# KiCad board fuyu.kicad_pcb (continued)
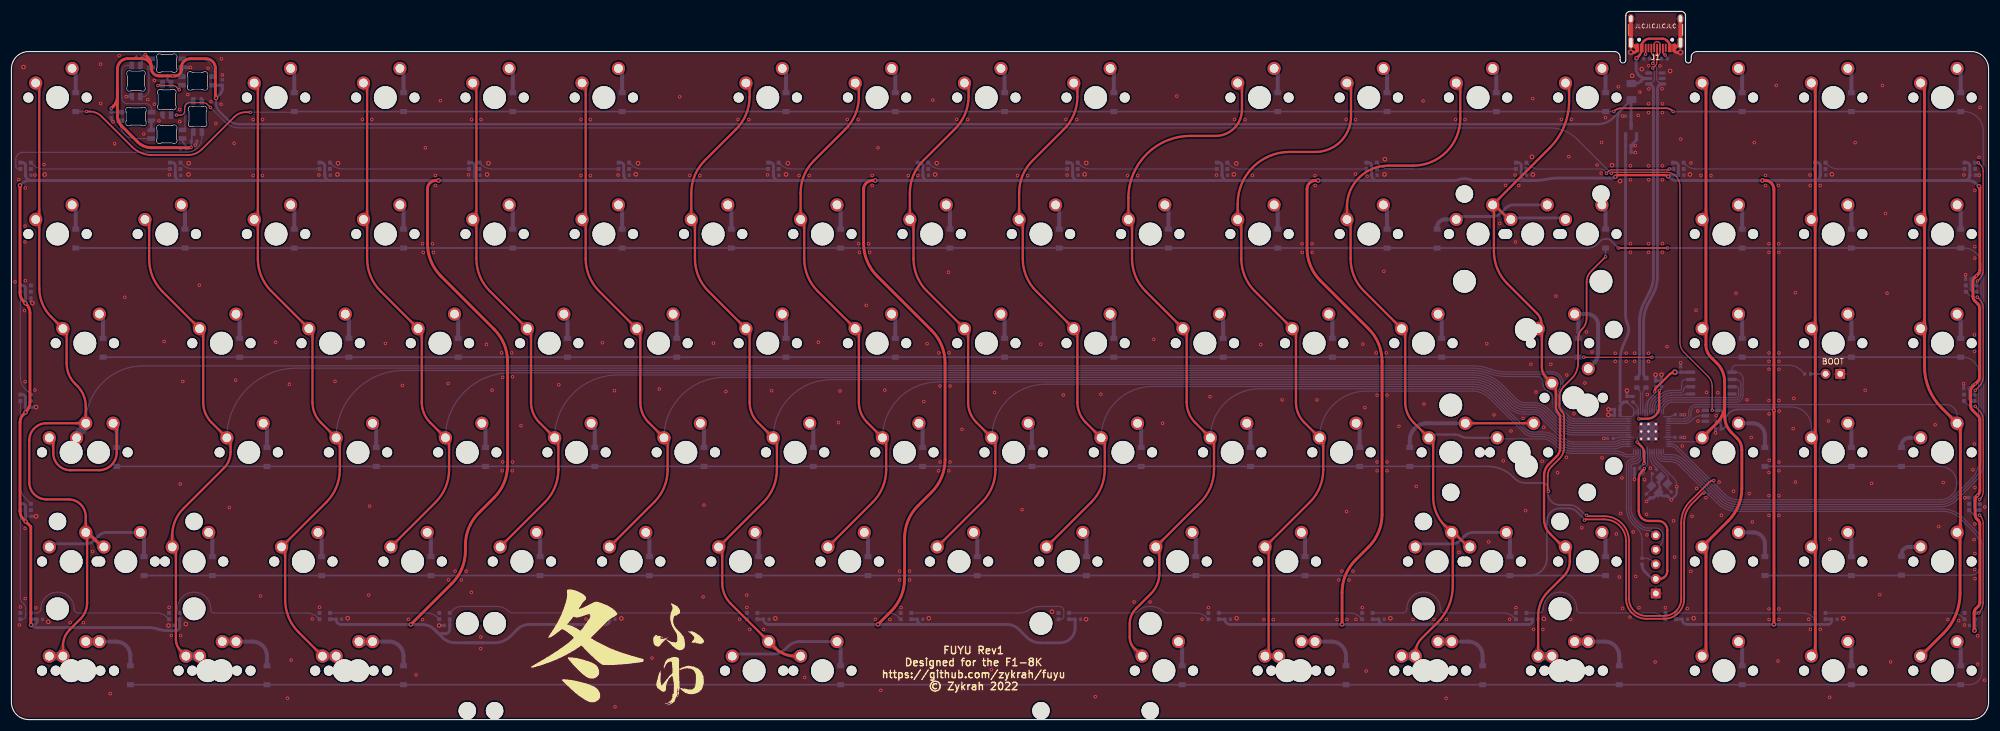
[diagram p0: board, top side]
## Nets
+1V1: C1.1 C2.1 C3.1 U2.23 U2.45 U2.50
+3V3: C4.1 C5.1 C6.1 C7.1 C8.1 C9.1 C10.1 C11.1 C12.1 C14.2 C17.1 J2.2 R1.1 U1.2 U2.1 U2.10 U2.22 U2.33 U2.42 U2.43 U2.44 U2.48 U2.49 U4.8
+5V: C13.2 C18.1 C19.1 C20.1 C21.1 C22.1 C23.1 C24.1 C25.1 C26.1 C27.1 C28.1 C29.1 C30.1 C31.1 C32.1 C33.1 C34.1 C35.1 C36.1 C37.1 C38.1 C39.1 C40.1 C41.1 C42.1 C43.1 C44.1 C45.1 C46.1 C47.1 C48.1 C49.1 C50.1 C51.1 C52.1 C53.1 C54.1 C55.1 C56.1 C57.1 C58.1 D100.4 D101.4 D102.4 D103.4 D104.4 D105.4 D106.4 D107.4 D108.4 D109.4 D110.4 D111.4 D112.4 D113.4 D114.4 D115.4 D116.4 D117.4 D118.4 D119.4 D120.4 D121.4 D122.4 D123.4 D124.4 D125.4 D126.4 D127.4 D128.4 D129.4 D130.4 D131.4 D132.4 D133.4 F1.2 LED1.1 LED2.1 LED3.1 LED4.1 LED5.1 LED6.1 LED7.1 U1.3 U5.5
GND: C1.2 C2.2 C3.2 C4.2 C5.2 C6.2 C7.2 C8.2 C9.2 C10.2 C11.2 C12.2 C13.1 C14.1 C15.1 C16.1 C17.2 C18.2 C19.2 C20.2 C21.2 C22.2 C23.2 C24.2 C25.2 C26.2 C27.2 C28.2 C29.2 C30.2 C31.2 C32.2 C33.2 C34.2 C35.2 C36.2 C37.2 C38.2 C39.2 C40.2 C41.2 C42.2 C43.2 C44.2 C45.2 C46.2 C47.2 C48.2 C49.2 C50.2 C51.2 C52.2 C53.2 C54.2 C55.2 C56.2 C57.2 C58.2 D100.2 D101.2 D102.2 D103.2 D104.2 D105.2 D106.2 D107.2 D108.2 D109.2 D110.2 D111.2 D112.2 D113.2 D114.2 D115.2 D116.2 D117.2 D118.2 D119.2 D120.2 D121.2 D122.2 D123.2 D124.2 D125.2 D126.2 D127.2 D128.2 D129.2 D130.2 D131.2 D132.2 D133.2 J1.A1 J1.A12 J1.B1 J1.B12 J1.S1 J2.1 LED1.4 LED2.4 LED3.4 LED4.4 LED5.4 LED6.4 LED7.4 R6.2 R7.2 SW0.1 U1.1 U2.19 U2.57 U3.2 U4.4 U5.1 U5.3 Y1.2 Y1.4
VBUS: F1.1 J1.A4 J1.A9 J1.B4 J1.B9 U3.5
/CC1: J1.A5 R6.1
/CC2: J1.B5 R7.1
/D_+: R2.2 U2.47
/D_-: R3.2 U2.46
/XTAL_O: C16.2 R4.1 Y1.1
/~{USB_BOOT}: R5.1 SW0.2
ARGB_3V3: U2.4 U5.2
ARGB_5V: LED1.3 U5.4
COL0: SW1.1 SW17.1 SW36.1 SW54.2 SW55.1 SW72.2 SW73.1 SW91.1 SW92.1 U2.41
COL1: SW18.1 SW37.1 SW56.1 SW74.1 SW93.1 SW94.1 U2.40
COL2: SW2.1 SW19.1 SW38.1 SW57.1 SW75.1 SW95.1 SW96.1 U2.38
COL3: SW3.1 SW20.1 SW39.1 SW58.1 SW76.1 U2.37
COL4: SW4.1 SW21.1 SW40.1 SW59.1 SW77.1 U2.36
COL5: SW5.1 SW22.1 SW41.1 SW60.1 SW78.1 U2.35
COL6: SW6.1 SW23.1 SW42.1 SW61.1 SW79.1 SW97.2 SW98.1 U2.34
COL7: SW7.1 SW24.1 SW43.1 SW62.1 SW80.1 U2.32
COL8: SW8.1 SW25.1 SW44.1 SW63.1 SW81.1 U2.31
COL9: SW9.1 SW26.1 SW45.1 SW64.1 SW82.1 U2.30
COL10: SW10.1 SW27.1 SW46.1 SW65.1 SW83.1 SW99.1 U2.29
COL11: SW11.1 SW28.1 SW47.1 SW66.1 SW84.1 SW100.1 SW101.1 U2.28
COL12: SW12.1 SW29.1 SW48.1 SW67.1 SW68.1 SW85.2 SW86.1 SW102.1 SW103.1 U2.27
COL13: SW13.1 SW30.2 SW31.1 SW32.1 SW49.1 SW50.1 SW87.1 SW104.1 SW105.1 U2.39
COL14: SW14.1 SW33.1 SW51.1 SW69.1 SW88.1 SW106.1 U2.12
COL15: SW15.1 SW34.1 SW52.1 SW70.1 SW89.1 SW107.1 U2.3
COL16: SW16.1 SW35.1 SW53.1 SW71.2 SW90.2 SW108.1 U2.2
CS: R5.2 U2.56 U4.1
DBUS+: J1.A6 J1.B6 R2.1 U3.3
DBUS-: J1.A7 J1.B7 R3.1 U3.4
QSPI_CLK: U2.52 U4.6
ROW0: D1.1 D2.1 D3.1 D4.1 D5.1 D6.1 D7.1 D8.1 D9.1 D10.1 D11.1 D12.1 D13.1 D14.1 D15.1 D16.1 U2.16
ROW1: D17.1 D18.1 D19.1 D20.1 D21.1 D22.1 D23.1 D24.1 D25.1 D26.1 D27.1 D28.1 D29.1 D30.1 D32.1 D33.1 D34.1 U2.15
ROW2: D35.1 D36.1 D37.1 D38.1 D39.1 D40.1 D41.1 D42.1 D43.1 D44.1 D45.1 D46.1 D47.1 D48.1 D49.1 D50.1 D51.1 U2.14
ROW3: D31.1 D52.1 D53.1 D54.1 D55.1 D56.1 D57.1 D58.1 D59.1 D60.1 D61.1 D62.1 D63.1 D64.1 D65.1 D66.1 D67.1 U2.13
ROW4: D68.1 D69.1 D70.1 D71.1 D72.1 D73.1 D74.1 D75.1 D76.1 D77.1 D78.1 D79.1 D80.1 D81.1 D82.1 D83.1 D84.1 U2.18
ROW5: D85.1 D86.1 D87.1 D88.1 D89.1 D90.1 D91.1 D92.1 D93.1 D94.1 D95.1 U2.17
SD0: U2.53 U4.5
SD1: U2.55 U4.2
SD2: U2.54 U4.3
SD3: U2.51 U4.7
SNOW_ARGB_OUT: D100.3 LED7.2
SWCLK: J2.4 U2.24
SWD: J2.5 U2.25
XTAL_IN: C15.2 U2.20 Y1.3
XTAL_OUT: R4.2 U2.21
~{RESET}: J2.3 R1.2 U2.26
Net-(D1-Pad2): D1.2 SW1.2
Net-(D2-Pad2): D2.2 SW2.2
Net-(D3-Pad2): D3.2 SW3.2
Net-(D4-Pad2): D4.2 SW4.2
Net-(D5-Pad2): D5.2 SW5.2
Net-(D6-Pad2): D6.2 SW6.2
Net-(D7-Pad2): D7.2 SW7.2
Net-(D8-Pad2): D8.2 SW8.2
Net-(D9-Pad2): D9.2 SW9.2
Net-(D10-Pad2): D10.2 SW10.2
Net-(D11-Pad2): D11.2 SW11.2
Net-(D12-Pad2): D12.2 SW12.2
Net-(D13-Pad2): D13.2 SW13.2
Net-(D14-Pad2): D14.2 SW14.2
Net-(D15-Pad2): D15.2 SW15.2
Net-(D16-Pad2): D16.2 SW16.2
Net-(D17-Pad2): D17.2 SW17.2
Net-(D18-Pad2): D18.2 SW18.2
Net-(D19-Pad2): D19.2 SW19.2
Net-(D20-Pad2): D20.2 SW20.2
Net-(D21-Pad2): D21.2 SW21.2
Net-(D22-Pad2): D22.2 SW22.2
Net-(D23-Pad2): D23.2 SW23.2
Net-(D24-Pad2): D24.2 SW24.2
Net-(D25-Pad2): D25.2 SW25.2
Net-(D26-Pad2): D26.2 SW26.2
Net-(D27-Pad2): D27.2 SW27.2
Net-(D28-Pad2): D28.2 SW28.2
Net-(D29-Pad2): D29.2 SW29.2
Net-(D30-Pad2): D30.2 SW30.1 SW31.2
Net-(D31-Pad2): D31.2 SW32.2
Net-(D32-Pad2): D32.2 SW33.2
Net-(D33-Pad2): D33.2 SW34.2
Net-(D34-Pad2): D34.2 SW35.2
Net-(D35-Pad2): D35.2 SW36.2
Net-(D36-Pad2): D36.2 SW37.2
Net-(D37-Pad2): D37.2 SW38.2
Net-(D38-Pad2): D38.2 SW39.2
Net-(D39-Pad2): D39.2 SW40.2
Net-(D40-Pad2): D40.2 SW41.2
Net-(D41-Pad2): D41.2 SW42.2
Net-(D42-Pad2): D42.2 SW43.2
Net-(D43-Pad2): D43.2 SW44.2
Net-(D44-Pad2): D44.2 SW45.2
Net-(D45-Pad2): D45.2 SW46.2
Net-(D46-Pad2): D46.2 SW47.2
Net-(D47-Pad2): D47.2 SW48.2
Net-(D48-Pad2): D48.2 SW49.2 SW50.2
Net-(D49-Pad2): D49.2 SW51.2
Net-(D50-Pad2): D50.2 SW52.2
Net-(D51-Pad2): D51.2 SW53.2
Net-(D52-Pad2): D52.2 SW54.1 SW55.2
Net-(D53-Pad2): D53.2 SW56.2
Net-(D54-Pad2): D54.2 SW57.2
Net-(D55-Pad2): D55.2 SW58.2
Net-(D56-Pad2): D56.2 SW59.2
Net-(D57-Pad2): D57.2 SW60.2
Net-(D58-Pad2): D58.2 SW61.2
Net-(D59-Pad2): D59.2 SW62.2
Net-(D60-Pad2): D60.2 SW63.2
Net-(D61-Pad2): D61.2 SW64.2
Net-(D62-Pad2): D62.2 SW65.2
Net-(D63-Pad2): D63.2 SW66.2
Net-(D64-Pad2): D64.2 SW67.2 SW68.2
Net-(D65-Pad2): D65.2 SW69.2
Net-(D66-Pad2): D66.2 SW70.2
Net-(D67-Pad2): D67.2 SW71.1
Net-(D68-Pad2): D68.2 SW72.1 SW73.2
Net-(D69-Pad2): D69.2 SW74.2
Net-(D70-Pad2): D70.2 SW75.2
Net-(D71-Pad2): D71.2 SW76.2
Net-(D72-Pad2): D72.2 SW77.2
Net-(D73-Pad2): D73.2 SW78.2
Net-(D74-Pad2): D74.2 SW79.2
Net-(D75-Pad2): D75.2 SW80.2
Net-(D76-Pad2): D76.2 SW81.2
Net-(D77-Pad2): D77.2 SW82.2
Net-(D78-Pad2): D78.2 SW83.2
Net-(D79-Pad2): D79.2 SW84.2
Net-(D80-Pad2): D80.2 SW85.1 SW86.2
Net-(D81-Pad2): D81.2 SW87.2
Net-(D82-Pad2): D82.2 SW88.2
Net-(D83-Pad2): D83.2 SW89.2
Net-(D84-Pad2): D84.2 SW90.1
Net-(D85-Pad2): D85.2 SW91.2 SW92.2
Net-(D86-Pad2): D86.2 SW93.2 SW94.2
Net-(D87-Pad2): D87.2 SW95.2 SW96.2
Net-(D88-Pad2): D88.2 SW97.1 SW98.2
Net-(D89-Pad2): D89.2 SW99.2
Net-(D90-Pad2): D90.2 SW100.2 SW101.2
Net-(D91-Pad2): D91.2 SW102.2 SW103.2
Net-(D92-Pad2): D92.2 SW104.2 SW105.2
Net-(D93-Pad2): D93.2 SW106.2
Net-(D94-Pad2): D94.2 SW107.2
Net-(D95-Pad2): D95.2 SW108.2
Net-(D100-Pad1): D100.1 D101.3
Net-(D101-Pad1): D101.1 D102.3
Net-(D102-Pad1): D102.1 D103.3
Net-(D103-Pad1): D103.1 D104.3
Net-(D104-Pad1): D104.1 D105.3
Net-(D105-Pad1): D105.1 D106.3
Net-(D106-Pad1): D106.1 D107.3
Net-(D107-Pad1): D107.1 D108.3
Net-(D108-Pad1): D108.1 D109.3
Net-(D109-Pad1): D109.1 D110.3
Net-(D110-Pad1): D110.1 D111.3
Net-(D111-Pad1): D111.1 D112.3
Net-(D112-Pad1): D112.1 D113.3
Net-(D113-Pad1): D113.1 D114.3
Net-(D114-Pad1): D114.1 D115.3
Net-(D115-Pad1): D115.1 D116.3
Net-(D116-Pad1): D116.1 D117.3
Net-(D117-Pad1): D117.1 D118.3
Net-(D118-Pad1): D118.1 D119.3
Net-(D119-Pad1): D119.1 D120.3
Net-(D120-Pad1): D120.1 D121.3
Net-(D121-Pad1): D121.1 D122.3
Net-(D122-Pad1): D122.1 D123.3
Net-(D123-Pad1): D123.1 D124.3
Net-(D124-Pad1): D124.1 D125.3
Net-(D125-Pad1): D125.1 D126.3
Net-(D126-Pad1): D126.1 D127.3
Net-(D127-Pad1): D127.1 D128.3
Net-(D128-Pad1): D128.1 D129.3
Net-(D129-Pad1): D129.1 D130.3
Net-(D130-Pad1): D130.1 D131.3
Net-(D131-Pad1): D131.1 D132.3
Net-(D132-Pad1): D132.1 D133.3
Net-(LED1-Pad2): LED1.2 LED2.3
Net-(LED2-Pad2): LED2.2 LED3.3
Net-(LED3-Pad2): LED3.2 LED4.3
Net-(LED4-Pad2): LED4.2 LED5.3
Net-(LED5-Pad2): LED5.2 LED6.3
Net-(LED6-Pad2): LED6.2 LED7.3

Pads without a net: D133 1; J1 A8 B8; U2 5 6 7 8 9 11; U3 1 6

## Via types
v1: diameter 0.6, hole 0.3, Top to Bottom, 507 vias
v2: diameter 0.8, hole 0.4, Top to Bottom, 71 vias
v3: diameter 1, hole 0.5, Top to Bottom, 3 vias

## Routing (per net, layer and track width the routed paths; a pad name or vN(x,y) marks a point on that pad's centre or on a via; arc(x,y) is an arc through that point)
+1V1: length 24.1
  Top w0.4: v1(283.68,52.49) 285.15,52.49 arc(286.64,53.1) 287.26,54.6 v1(287.26,57.39) ; v1(284.58,44.65) 284.62,44.69 284.62,46.49 arc(284.49,47.14) 284.13,47.69 v1(283.41,48.41)
  Bottom w0.2: v1(284.58,44.65) 284.79,44.86 284.79,46.84 ; C1.1 283.36,54.73 arc(283.53,54.49) 283.58,54.2 U2.45 283.59,52.64 ; U2.50 285.58,54.17 arc(285.81,55.31) 286.46,56.29 287.05,56.87 arc(287.21,57.11) v1(287.26,57.39)
  Bottom w0.3: 283.43,49.1 283.43,48.43 v1(283.41,48.41)
  Bottom w0.4: C2.1 283.88,43.97 284.56,44.65 v1(284.58,44.65) ; v1(287.26,57.39) 287.5,57.62 arc(287.63,57.82) 287.67,58.04 C3.1
+3V3: length 114.9
  Top w0.4: v1(286.48,57.17) 286.48,57.25 arc(286.54,57.59) 286.71,57.89 289.03,60.21 arc(289.47,60.5) v3(289.99,60.61) ; 284.31,43.39 284.67,43.75 v1(284.67,43.77) 284.67,43.74 284.19,43.27 arc(283.81,42.63) 283.68,41.89 283.68,36.4 arc(284.19,35.16) 285.42,34.65 287.08,34.65 arc(288.19,34.19) 288.66,33.08 288.66,25.9 arc(288.26,24.94) 287.29,24.54 J2.2
  Bottom w0.2: C10.1 280.67,52.87 U2.42 282.47,52.87 282.79,53.19 ; 282.74,49.27 U2.33 280.47,49.27 arc(280.19,49.24) 279.93,49.16 279.9,49.15 arc(279.66,49.08) 279.41,49.06 C6.1 ; 283.19,53.59 282.79,53.19 ; 282.79,53.19 U2.43 282.78,54.26 C5.1 ; 288.05,52.87 U2.1 289.17,52.87 arc(289.36,52.91) 289.53,53.02 289.54,53.03 arc(289.7,53.14) 289.89,53.18 C12.1 ; 285.19,52.99 U2.49 285.18,54.54 arc(285.38,55.5) 285.92,56.31 ; 285.92,56.31 286.27,56.66 arc(286.43,56.9) v1(286.48,57.17) ; 285.92,56.31 285.59,55.98 arc(284.99,55.09) 284.78,54.04 U2.48 284.79,52.97 284.82,52.94 ; 288.06,49.27 U2.10 289.99,49.27 C8.1 ; 285.19,46.84 285.19,44.63 arc(285.14,44.41) 285.02,44.23 284.67,43.88 v1(284.67,43.77) ; U2.22 285.19,47.57
  Bottom w0.4: C7.1 286.62,57.8 286.48,57.66 v1(286.48,57.17) ; v1(284.67,43.77) 284.57,43.68 284.57,43.18 arc(284.46,42.9) 284.17,42.78 C9.1
  Bottom w0.5: R1.1 284.27,26.94 arc(284.4,26.32) 284.75,25.8 286,24.54 J2.2 ; U4.8 291,60.61 C17.1 v3(289.99,60.61) ; C10.1 C11.1 280.43,54.76 281.09,55.42 C5.1 ; 280.44,55.45 280.44,62.6 arc(280.58,64.02) 281.01,65.37 281.66,66.87 281.75,67.09 arc(281.93,68.04) 281.76,68.99 281.64,69.29 arc(281.44,70) 281.38,70.73 C4.1 281.4,98.99 U1.2
+5V: length 1547.3
  Top w0.4: v2(279.61,94.71) 279.61,94.71 arc(279.94,94.93) 280.33,95.01 288.26,95.01 arc(288.57,94.95) v2(288.84,94.77)
  Top w0.5: v2(227.8,94.07) 227.34,94.07 arc(226.29,93.63) 225.86,92.58 225.86,82.23 arc(226.46,79.17) 228.2,76.57 236.59,68.18 arc(238.33,65.59) 238.94,62.52 238.94,35.78 arc(238.33,32.72) 236.59,30.12 234.31,27.84 arc(232.57,25.25) 231.97,22.18 v2(231.97,16.6) ; 18.47,109.7 18.47,108.73 arc(18.28,107.81) 17.77,107.04 v1(17.38,106.65) ; 18.47,109.7 18.47,113.5 18.46,113.5 arc(18.96,114.76) 20.18,115.35 22.71,115.35 22.71,115.35 arc(23.9,114.86) 24.39,113.67 ; 18.47,109.7 18.47,105.23 arc(18.69,104.33) 19.21,103.57 21.98,100.8 arc(23.1,100.05) 24.43,99.79 31.25,99.79 v1(31.31,99.85) ; v2(150.58,94.07) 150.09,94.07 arc(149.01,93.62) 148.56,92.53 148.56,83.07 arc(149.16,80.01) 150.9,77.41 160.41,67.9 arc(162.15,65.31) 162.75,62.24 162.75,45.35 arc(162.15,42.28) 160.41,39.69 158.04,37.32 arc(156.3,34.72) 155.69,31.66 155.69,24.56 arc(155.09,21.5) 153.35,18.9 v2(151.05,16.6) ; v2(3.41,16.5) 3.37,16.54 3.37,33.66 v2(2.47,34.56) 2.08,34.94 arc(1.65,35.59) 1.5,36.36 1.5,51.83 arc(1.65,52.59) 2.08,53.24 v2(2.45,53.61) 2.49,53.66 arc(3.04,54.47) 3.23,55.42 3.23,70.92 arc(3.05,71.8) 2.56,72.53 v2(2.44,72.66) 2.08,73.01 arc(1.65,73.66) 1.5,74.43 v2(1.5,93.22) ; v2(69.62,16.59) 76.79,23.76 arc(78.53,26.36) 79.14,29.42 79.14,30.4 arc(79.74,33.47) 81.48,36.06 84.14,38.72 arc(85.88,41.32) 86.48,44.38 86.48,62.45 arc(85.88,65.52) 84.14,68.11 74.87,77.38 arc(73.13,79.98) 72.53,83.04 72.53,92.61 arc(72.95,93.64) 73.98,94.07 v2(74.45,94.07) ; v2(307.24,16.6) 307.25,16.62 v1(307.25,53.95) 307.25,92.53 arc(306.8,93.62) 305.72,94.07 v2(305.24,94.07) ; v2(342.23,15.51) 342.15,15.59 342.15,18.63 arc(342.22,19.02) 342.44,19.34 342.85,19.75 arc(343.07,20.08) 343.15,20.46 343.15,34.08 arc(343.07,34.47) 342.85,34.79 342.62,35.02 arc(342.4,35.35) 342.32,35.73 342.32,38.29 arc(342.4,38.68) 342.62,39 v1(342.72,39.1) 342.85,39.23 arc(343.07,39.56) 343.15,39.94 343.15,52.28 arc(343.07,52.67) 342.85,52.99 341.84,54 arc(341.62,54.33) 341.55,54.71 341.55,57.35 arc(341.62,57.74) 341.84,58.06 v1(342.32,58.55) 342.81,59.03 arc(343.03,59.36) 343.1,59.74 343.1,71.81 arc(343.03,72.19) 342.81,72.51 342.24,73.08 arc(342.02,73.41) 341.94,73.79 341.94,76.41 arc(342.02,76.8) 342.24,77.12 v1(342.55,77.43) 342.85,77.73 arc(343.07,78.06) 343.15,78.44 343.15,92.9 v2(343,93.05) ; v2(35.66,108.45) 35.55,108.56 35.55,113.65 arc(35.07,114.83) 33.89,115.32 31.22,115.32 arc(30.06,114.84) 29.58,113.68 29.58,113.33 arc(29.29,112.61) 28.57,112.32 25.7,112.32 arc(24.78,112.7) 24.39,113.63 24.39,113.67 ; 24.39,113.67 24.39,113.9 arc(24.21,114.83) 23.68,115.62 v1(23.3,116)
  Bottom w0.3: LED6.1 29.8,101.14 arc(29.86,100.82) 30.04,100.55 30.17,100.43 arc(30.37,100.12) 30.45,99.75 C22.1 30.88,99.63 arc(31.07,99.67) 31.23,99.77 v1(31.31,99.85) 31.36,99.9 C23.1 31.45,101 31.45,102.26 LED7.1 ; LED3.1 23.47,115.29 arc(23.07,115.37) C20.1 22.73,114.43 LED4.1 ; v1(307.25,53.95) 307.1,54.11 300.9,54.11 arc(299.43,53.5) 298.81,52.02 298.81,51.23 arc(298.67,50.87) 298.31,50.73 C58.1 298.04,50.89 arc(297.91,51.52) U5.5 ; C21.1 18.97,106 LED5.1 ; C18.1 27.2,111.75 arc(27.23,111.56) 27.34,111.4 LED1.1
  Bottom w0.4: v2(279.61,94.71) 279.73,94.83 arc(279.89,95.07) 279.94,95.35 279.94,104.46 arc(280.17,105.61) 280.82,106.59 281.13,106.9 ; C21.1 v1(17.38,106.65) ; 281.13,106.9 F1.2 ; 281.13,106.9 279.29,105.05 arc(278,104.19) 276.48,103.89 39.78,103.89 arc(38.58,104.13) 37.57,104.8 36.23,106.14 arc(35.81,106.77) 35.66,107.51 v2(35.66,108.45) ; v1(23.3,116) 23.12,116 C20.1 ; C18.1 v1(28.12,112.32)
  Bottom w0.5: 108.88,94.07 107.67,94.07 arc(107.02,94.34) C28.1 106.74,96.68 arc(106.6,97.03) 106.24,97.18 D104.4 ; 108.88,94.07 82.78,94.07 ; 108.88,94.07 135.04,94.07 ; D112.4 314.84,97.18 arc(315.19,97.03) 315.34,96.68 C36.1 arc(315.06,94.34) 314.41,94.07 313.75,94.07 ; 82.17,13.4 77.34,13.4 arc(76.14,13.64) 75.13,14.31 73.73,15.71 ; 82.17,13.4 84.23,13.4 arc(85.72,13.69) 86.99,14.54 88.17,15.72 arc(89.14,16.37) 90.29,16.6 103.67,16.6 arc(104.1,16.77) 104.27,17.2 C50.1 ; 82.17,13.4 78.8,13.4 ; 187.08,94.07 185.93,94.07 arc(185.27,94.34) C31.1 185,96.68 arc(184.85,97.03) 184.5,97.18 D107.4 ; 187.08,94.07 212.99,94.07 ; 187.08,94.07 160.86,94.07 ; D111.4 290.1,97.18 arc(290.45,97.03) 290.6,96.68 C35.1 289.39,95 arc(289.09,94.94) v2(288.84,94.77) 289.07,94.53 arc(289.58,94.19) 290.19,94.07 v2(305.24,94.07) 313.75,94.07 ; 30.83,94.07 29.42,94.07 arc(28.81,94.32) C25.1 28.56,96.68 arc(28.41,97.03) 28.06,97.18 D101.4 ; 30.83,94.07 56.72,94.07 ; 30.83,94.07 3.73,94.07 ; 104.27,17.5 D126.4 ; LED2.1 C19.1 36.77,110.08 arc(36.67,109.59) 36.39,109.17 v2(35.66,108.45) ; 82.78,94.07 v2(74.45,94.07) 56.72,94.07 ; 82.78,94.07 81.61,94.07 arc(80.97,94.33) C27.1 80.7,96.68 arc(80.56,97.03) 80.2,97.18 D103.4 ; 339.81,94.07 313.75,94.07 ; 339.81,94.07 340.47,94.07 arc(341.13,94.34) C37.1 341.41,96.68 arc(341.26,97.03) 340.91,97.18 D113.4 ; 339.81,94.07 341.15,94.07 arc(341.91,93.92) 342.56,93.48 v2(343,93.05) ; 160.86,94.07 159.8,94.07 arc(159.16,94.33) C30.1 158.89,96.68 arc(158.75,97.03) 158.39,97.18 D106.4 ; 160.86,94.07 v2(150.58,94.07) 135.04,94.07 ; 135.04,94.07 133.74,94.07 arc(133.1,94.33) C29.1 132.83,96.68 arc(132.69,97.03) 132.33,97.18 D105.4 ; v2(2.45,53.61) C56.1 2.45,56.2 arc(2.3,56.55) 1.95,56.7 D132.4 ; 239.92,16.6 239.26,16.6 arc(238.62,16.86) C45.1 237.29,17.5 D121.4 ; 239.92,16.6 v2(231.97,16.6) 212.44,16.6 arc(211.8,16.86) C46.1 210.48,17.5 D122.4 ; 239.92,16.6 264.57,16.6 arc(265,16.77) 265.18,17.2 C44.1 264.1,17.5 D120.4 ; D102.4 54.11,97.18 arc(54.46,97.03) 54.61,96.68 C26.1 arc(54.88,94.34) 55.53,94.07 56.72,94.07 ; 282.34,108.1 282.34,103.65 U1.3 ; 239.34,94.07 v2(227.8,94.07) 212.99,94.07 ; 239.34,94.07 238.03,94.07 arc(237.38,94.34) C33.1 237.12,96.68 arc(236.97,97.03) 236.62,97.18 D109.4 ; 239.34,94.07 251.72,94.07 arc(251.99,94.09) 252.25,94.17 252.3,94.19 arc(253.29,94.39) 254.29,94.19 254.31,94.18 arc(254.58,94.1) 254.86,94.07 265.46,94.07 ; D114.4 342.12,74.66 arc(341.77,74.8) 341.62,75.16 C38.1 341.96,77.19 arc(342.23,77.37) v1(342.55,77.43) ; D133.4 1.94,75.75 arc(2.29,75.6) 2.44,75.25 C57.1 v2(2.44,72.66) ; 3.73,94.07 3.38,94.07 arc(2.72,94.34) C24.1 2.45,96.68 arc(2.3,97.03) 1.95,97.18 D100.4 ; 3.73,94.07 3.22,94.07 arc(2.41,93.91) 1.73,93.45 v2(1.5,93.22) ; D124.4 156.85,17.5 C48.1 arc(158.17,16.86) 158.8,16.6 159.55,16.6 ; 212.99,94.07 211.96,94.07 arc(211.31,94.34) C32.1 211.05,96.68 arc(210.9,97.03) 210.55,97.18 D108.4 ; 159.55,16.6 v2(151.05,16.6) 132,16.6 arc(131.37,16.86) C49.1 131.1,17.5 D125.4 ; 159.55,16.6 173.52,16.6 arc(174.67,16.37) 175.64,15.72 176.98,14.38 arc(178.08,13.64) 179.38,13.39 182.81,13.39 arc(184.66,14.15) 185.43,16 C47.1 184.36,17.5 D123.4 ; D110.4 262.69,97.18 arc(263.05,97.03) 263.19,96.68 C34.1 arc(263.47,94.34) 264.12,94.07 265.46,94.07 ; D131.4 1.97,37.65 arc(2.32,37.5) 2.47,37.15 C55.1 v2(2.47,34.56) ; D115.4 341.79,55.6 arc(341.43,55.75) 341.29,56.1 C39.1 341.87,58.36 arc(342.08,58.5) v1(342.32,58.55) ; D128.4 56.58,17.5 C52.1 arc(56.85,16.85) 57.5,16.59 v2(69.62,16.59) 71.61,16.59 arc(72.76,16.36) 73.73,15.71 ; D116.4 342.69,36.54 arc(342.34,36.68) 342.19,37.04 C40.1 342.48,39.01 arc(342.57,39.07) 342.69,39.1 v1(342.72,39.1) ; D127.4 76.41,17.5 C51.1 76.41,15.78 arc(76.17,15.21) 75.61,14.98 75.04,14.98 arc(74.51,15.08) 74.06,15.39 73.73,15.71 ; 265.46,94.07 265.63,94.07 arc(266.62,94.12) 267.59,94.28 arc(268.59,94.43) 269.6,94.49 279.18,94.49 arc(279.37,94.53) 279.53,94.63 v2(279.61,94.71) ; D117.4 C41.1 342.31,15.6 v2(342.23,15.51) ; D130.4 3.39,17.5 C54.1 4.46,17.15 arc(4.26,16.69) 3.8,16.5 v2(3.41,16.5) 3.48,16.43 arc(3.9,16.15) 4.39,16.05 23.9,16.05 arc(24.65,15.99) 25.37,15.83 25.77,15.72 arc(26.48,15.56) 27.21,15.51 28.7,15.51 arc(29.12,15.68) 29.3,16.11 C53.1 29.3,17.5 D129.4 ; D118.4 317.29,17.5 C42.1 317.3,17.2 arc(317.12,16.77) 316.69,16.6 v2(307.24,16.6) 292.14,16.6 arc(291.5,16.86) C43.1 291.23,17.5 D119.4
GND: length 68.8
  Top w0.5: v3(282.29,116.44) 282.89,116.44 arc(283.24,116.58) 283.38,116.92 J1.A12 283.23,117.19 J1.S1 ; v3(290.97,116.42) 290.37,116.42 arc(290.03,116.56) 289.88,116.91 J1.A1 290.04,117.19 J1.S1
  Top w0.7: J1.S1 J1.S1 ; J1.S1 J1.S1
  Bottom w0.2: v1(290.31,40.64) 290.31,40.78 arc(290.16,41.55) 289.73,42.2 286.99,44.93 arc(286.54,45.61) 286.38,46.4 U2.19
  Bottom w0.3: 287.28,41.09 287.28,39.75 Y1.4 287.55,40.01 287.55,40.6 ; 287.28,41.09 287.28,42.15 ; 287.28,41.09 286.94,41.43 286.94,41.45 287.47,41.98 Y1.2
  Bottom w0.4: v1(280.87,105.31) C13.1 ; C4.2 v1(283.12,98.97) ; v1(283.08,100.14) 283.06,100.13 282.36,100.13 ; C58.2 v1(297.07,50.04) ; v1(285.03,38.05) 285.67,38.68 C16.1 ; 288.85,38.85 C15.1 288.68,39.02 v1(289.35,38.34) 290.02,39.01 arc(290.24,39.33) 290.31,39.72 v1(290.31,40.64) ; v1(291.67,53.18) C12.2
  Bottom w0.5: LED4.4 19.99,108.71 v1(19.98,108.71) ; C8.2 v1(291.65,49.24) ; LED6.4 24.35,104.41 LED5.4 ; v1(277.56,49.06) C6.2 ; C16.1 286.22,38.68 Y1.4 287.39,39.31 arc(287.71,39.1) 288.09,39.02 C15.1 ; C57.2 3.4,72.91 v2(3.64,72.67) ; v2(278.4,54.1) C11.2 C10.2 278.45,53.11 v2(278.38,53.17) ; C40.2 340.55,38.73 v1(340.53,38.71) ; v1(343.03,94.99) 343.02,95 C37.2 ; U1.1 283.3,101.12 282.34,100.16 C4.2 ; C17.2 v1(291,62.28) ; v1(340.32,58.58) 340.33,58.58 C39.2 ; v1(17.71,104.33) 17.64,104.39 arc(17.44,104.69) C21.2 ; C2.2 C9.2 282.92,41.92 v1(282.94,41.9) ; v1(31.21,113.79) LED3.4 29.72,113.71 LED2.4 ; v1(32.03,100.24) 32.05,100.26 arc(32.25,100.56) C23.2 ; C56.2 v2(4.29,54.52) ; C55.2 v2(4.3,35.47) ; C1.2 282.67,56.38 C5.2 281.62,57.41 v2(281.62,57.41) ; v2(286.61,60.18) 286.61,59.11 C7.2 C3.2 287.66,59.11 v2(287.66,60.18) ; C51.2 v2(74.56,16.42) ; C38.2 v1(340.67,77.64)
  vias: v1(0.62,76.38) v1(1.28,94.22) v1(1.39,16.5) v1(1.57,19.65) v1(2.28,71.37) v1(2.41,92.79) v1(2.38,86.11) v1(2.36,83.35) v1(2.41,76.59) v1(2.39,58.94) v1(2.38,33.37) v1(2.41,21.1) v1(4.1,95.02) v1(4.08,57.51) v1(4.23,19.49) v1(5.68,96.85) v1(10.25,16.91) v1(12.53,16.91) v1(14.14,29.32) v1(15.54,114.37) v1(15.55,107.5) v1(17.23,4.51) v1(17.98,100.48) v1(18.78,115.86) v1(19.76,73.68) v1(23.05,102.2) v1(23.77,108.18) v1(24.89,111.54) v1(24.92,107.39) v1(25.7,104.46) v1(26.62,65.98) v1(27.48,19.57) v1(27.53,95.05) v1(27.86,14.65) v1(29.31,106.45) v1(29.34,104.36) v1(29.42,41.11) v1(29.48,14.65) v1(29.86,59.01) v1(30.75,109.07) v1(32.76,75.8) v1(34.28,113.66) v1(34.78,107.84) v1(35.64,104) v1(36.61,115.31) v1(36.53,107.37) v1(36.76,112.47) v1(37.98,36.99) v1(38.81,100.55) v1(39.08,59.22) v1(42.14,104.69) v1(42.14,94.93) v1(43.42,21.57) v1(43.77,104.7) v1(43.75,94.93) v1(46.05,65.84) v1(48.12,3.72) v1(48.45,58.51) v1(48.76,10.37) v1(52.44,17.57) v1(53.59,95.03) v1(53.7,19.6) v1(56.39,59.01) v1(61.19,104.71) v1(62.28,21.72) v1(62.44,37.25) v1(62.81,104.71) v1(65.2,65.62) v1(68.16,58.3) v1(69.19,17.48) v1(70.53,7.81) v1(71.67,83.04) v1(71.66,17.45) v1(71.8,81.52) v1(72.16,99.78) v1(73.39,83.04) v1(73.56,81.52) v1(73.91,94.93) v1(73.92,93.21) v1(74.78,108.01) v1(76.12,58.65) v1(76.2,24.38) v1(77.34,25.89) v1(78.42,24.38) v1(79.26,25.89) v1(79.7,95.05) v1(80.17,22.2) v1(80.23,104.7) v1(81.81,14.42) v1(81.81,12.39) v1(81.86,104.7) v1(82.81,65.48) v1(83.81,57.48) v1(85.45,63.99) v1(85.62,59.72) v1(85.62,44.95) v1(85.56,43.42) v1(87.2,63.99) v1(87.3,43.42) v1(87.34,59.81) v1(87.34,44.95) v1(88.83,51.29) v1(95.42,58.43) v1(99.3,104.7) v1(99.29,94.93) v1(100.16,17.56) v1(100.91,104.7) v1(100.92,94.93) v1(101.39,19.57) v1(103.02,65.76) v1(105.13,57.39) v1(105.21,2.23) v1(105.74,95.03) v1(111.7,10.75) v1(112.94,57.67) v1(116.51,108.67) v1(118.26,94.94) v1(120.01,94.93) v1(120.58,21.41) v1(120.73,37.41) v1(122.38,65.69) v1(124.55,57.24) v1(126.66,104.7) v1(126.94,17.52) v1(128.19,21.72) v1(128.19,19.56) v1(128.54,104.69) v1(128.7,15.73) v1(131.11,15.73) v1(131.81,95.05) v1(132.51,57.39) v1(137.3,94.93) v1(138.27,7.35) v1(139.06,94.93) v1(140.69,65.84) v1(144.18,51.82) v1(144.43,57.34) v1(145.71,104.7) v1(147.61,104.71) v1(147.69,83.04) v1(147.83,81.52) v1(149.01,72.28) v1(149.42,83.04) v1(149.6,81.53) v1(150.05,94.93) v1(150.05,93.22) v1(150.61,17.51) v1(151.06,99.78) v1(151.55,5.11) v1(152.25,57.48) v1(153.12,17.46) v1(154.82,25.9) v1(154.82,24.37) v1(155.06,19.54) v1(156.33,94.92) v1(156.56,25.9) v1(156.56,24.37) v1(158.01,94.93) v1(159.05,55.5) v1(159.63,65.58) v1(160.62,108.08) v1(161.62,43.42) v1(161.67,63.99) v1(161.89,58.21) v1(161.89,44.94) v1(163.33,78.06) v1(163.41,43.42) v1(163.44,64) v1(163.62,58.2) v1(163.62,44.94) v1(164.8,104.71) v1(165.69,50.65) v1(166.7,104.71) v1(170.85,8.7) v1(171.39,57.06) v1(175.38,94.92) v1(176.19,36.62) v1(177.14,94.92) v1(179.43,65.51) v1(183.37,56.63) v1(183.81,104.71) v1(184.04,95.02) v1(185.71,104.71) v1(188.94,3.99) v1(189.92,56.77) v1(194.57,94.93) v1(195.71,20.53) v1(196.32,94.92) v1(198.49,20.53) v1(199.12,66.34) v1(200.69,51.71) v1(203.14,108.79) v1(207.56,17.5) v1(208.67,19.53) v1(208.93,56.35) v1(210.07,95.02) v1(213.23,104.71) v1(215.04,104.68) v1(216.33,94.97) v1(217.8,65.44) v1(218.36,17.46) v1(219.97,17.45) v1(221.53,55.79) v1(225,83.04) v1(225.03,81.53) v1(226.72,83.04) v1(226.75,81.53) v1(227.25,94.92) v1(227.28,93.21) v1(227.59,55.79) v1(231.11,17.47) v1(231.38,24.38) v1(231.93,25.89) v1(232.67,104.72) v1(232.75,36.3) v1(232.82,17.47) v1(233.17,24.37) v1(233.87,25.89) v1(234.31,104.7) v1(234.31,95.18) v1(234.38,17.48) v1(235.5,19.53) v1(235.57,65.51) v1(235.94,54.44) v1(236.18,8.47) v1(236.34,94.82) v1(237.92,63.99) v1(238.07,56.6) v1(238.07,44.95) v1(238.07,43.42) v1(239.25,78.21) v1(239.68,63.99) v1(239.8,56.61) v1(239.81,44.95) v1(239.8,43.42) v1(241.88,51.18) v1(244.32,17.46) v1(244.88,40.68) v1(246.1,107.94) v1(246.25,55.05) v1(247.99,17.47) v1(250.12,3.72) v1(250.15,17.46) v1(251.75,104.71) v1(252.36,29.18) v1(253.38,104.7) v1(257.19,65.59) v1(257.53,31.01) v1(258.46,53.18) v1(259.44,86.58) v1(260.07,45.15) v1(260.47,93.21) v1(261.18,17.5) v1(261.42,50.36) v1(262.15,95.03) v1(262.21,83.33) v1(262.27,19.52) v1(262.77,93.21) v1(263.54,52.55) v1(263.96,36.46) v1(264.88,62) v1(265.22,108.35) v1(265.36,15.74) v1(265.78,57.14) v1(266.86,45.06) v1(266.97,15.74) v1(267.12,51) v1(268.37,62) v1(269.23,73.89) v1(269.54,43.08) v1(270.22,104.71) v1(271.06,45.76) v1(271.13,60.13) v1(271.5,98.24) v1(271.82,17.47) v1(271.94,104.73) v1(272.38,53.37) v1(273.75,33.46) v1(274.29,58.73) v1(274.56,67.65) v1(275.55,64.16) v1(276.44,96.77) v1(277.21,100.7) v1(277.13,95.35) v1(277.28,45.68) v1(277.88,105.04) v1(279.59,63.92) v1(279.59,62.51) v1(279.79,32.37) v1(280.12,110.43) v1(280.31,24.88) v1(280.52,35.97) v1(280.75,42.17) v1(280.87,19.41) v1(281.5,63.93) v1(281.5,62.52) v1(282.23,83.06) v1(282.23,81.53) v1(282.16,17.88) v1(282.24,96.63) v1(282.25,94.2) v1(282.73,32.73) v1(282.96,63.93) v1(282.96,62.52) v1(283.16,24.99) v1(283.59,105.42) v1(283.74,19.52) v1(283.88,109.49) v1(284.71,41.85) v1(285.04,35.82) v1(285.11,32.22) v1(285.19,56.71) v1(285.38,107.44) v1(285.38,105.92) v1(285.4,96.63) v1(285.4,94.2) v1(285.38,83.05) v1(285.38,81.53) v1(285.38,63.93) v1(285.38,62.52) v1(285.44,114.1) v1(285.44,110.06) v1(285.71,43.85) v1(286.56,10.06) v1(287.38,114.08) v1(287.77,110.08) v1(287.81,107.44) v1(287.81,105.92) v1(287.8,96.63) v1(287.8,94.2) v1(287.8,83.05) v1(287.79,81.54) v1(288.32,19.5) v1(288.62,65.07) v1(289.75,34.67) v1(289.94,28.35) v1(291,101.28) v1(291.28,47.76) v1(292.15,19.38) v1(292.79,97.13) v1(292.75,25.86) v1(292.99,35.46) v1(293.68,71.4) v1(293.79,40.33) v1(293.96,53.84) v1(294.02,52.07) v1(294.54,94.95) v1(295.38,38.73) v1(295.5,57.08) v1(296.28,94.94) v1(297.19,53.02) v1(297.49,57.04) v1(297.69,41.43) v1(298.1,35.66) v1(300.21,39.84) v1(300.65,74.37) v1(302.55,55.8) v1(302.94,39.44) v1(303.31,49.23) v1(303.49,34.49) v1(303.82,100.68) v1(305.77,94.94) v1(305.78,93.2) v1(306.4,83.04) v1(306.4,81.52) v1(306.4,63.99) v1(306.4,62.51) v1(306.4,61.13) v1(306.4,55.67) v1(306.41,53.35) v1(306.43,45.24) v1(306.4,43.12) v1(306.4,39.06) v1(306.4,35.62) v1(306.4,19.31) v1(306.41,17.46) v1(307.66,110.65) v1(308.03,93.21) v1(307.94,10.21) v1(308.11,83.04) v1(308.11,81.53) v1(308.12,63.99) v1(308.12,62.51) v1(308.12,61.13) v1(308.12,55.67) v1(308.12,44.94) v1(308.12,43.42) v1(308.12,39.06) v1(308.12,35.62) v1(308.11,19.31) v1(308.12,17.46) v1(308.17,53.84) v1(310.62,50.78) v1(310.72,56.04) v1(311,74.51) v1(311,41.44) v1(313.31,17.5) v1(313.55,95.02) v1(313.59,93.19) v1(313.61,15.74) v1(315.31,93.2) v1(315.32,15.74) v1(316.75,52.1) v1(316.99,31.47) v1(316.98,3.88) v1(321.42,100.68) v1(323.17,57.45) v1(324.3,41.2) v1(325.71,21.8) v1(326.17,110.65) v1(326.71,88.31) v1(326.98,74.4) v1(327.6,10.06) v1(335.37,51.43) v1(335.99,33.68) v1(336.78,41.36) v1(337.6,17.45) v1(339.47,17.26) v1(340.37,95.04) v1(340.48,16.5) v1(341.94,43.58) v1(342.22,67.12) v1(342.23,64.24) v1(342.21,48.09) v1(342.15,31.4) v1(342.28,92.33) v1(342.28,82.51) v1(342.28,80.52) v1(342.3,40.5) v1(342.29,34.14) v1(342.29,28.97) v1(342.25,26.19) v1(342.3,24.58) v1(342.78,14.63) v1(342.79,9.68) v1(343.02,98.1) v1(343.19,106.8) v1(344,37.1) v1(343.98,6.89) v2(2.11,113.86) v2(5.79,95.1) v2(6.42,17.06) v2(27.37,16.41) v2(30.39,16.67) v2(30.89,97.08) v2(30.87,95.11) v2(56.83,95.11) v2(56.92,97.09) v2(58.62,17.68) v2(82.92,95.11) v2(83.14,97.08) v2(106.33,17.65) v2(108.83,95.15) v2(109.23,97.08) v2(133.17,17.66) v2(135.04,95.13) v2(135.35,97.08) v2(159.93,17.67) v2(161.02,95.11) v2(161.31,97.09) v2(181.38,18.82) v2(187.1,95.15) v2(187.38,97.13) v2(187.33,17.51) v2(213.11,95.13) v2(213.52,97.04) v2(213.57,17.68) v2(239.37,95.13) v2(239.44,97.78) v2(240.38,17.68) v2(265.06,98.19) v2(265.23,95.1) v2(267.16,17.58) v2(279.04,96.73) v2(280.42,93.96) v2(282.54,112.35) v2(284.22,113.51) v2(289.16,113.17) v2(292.61,95.11) v2(293.27,17.67) v2(317.36,95.14) v2(319.34,17.67)
VBUS: length 17.3
  Top w0.4: v2(283.31,115.42) 283.75,115.86 arc(284.07,116.34) 284.18,116.9 J1.A9 284.18,117.57 arc(284.26,117.95) 284.47,118.28 284.65,118.45 arc(285.06,118.72) 285.54,118.82 287.83,118.82 arc(288.21,118.74) 288.54,118.52 288.79,118.28 arc(289.01,117.95) 289.08,117.57 J1.A4
  Bottom w0.5: F1.1 283.08,110.98 arc(283.57,111.08) 284,111.36 284.14,111.5 arc(284.54,111.77) 285.03,111.87 U3.5 285,111.87 arc(284.33,112) 283.76,112.38 283.69,112.46 arc(283.34,112.97) 283.22,113.58 283.22,115.33 v2(283.31,115.42)
/CC1: length 2.2
  Top w0.2: J1.A5 287.88,116.35 v1(288.28,115.96)
  Bottom w0.2: v1(288.28,115.96) 288.68,115.56 R6.1
/CC2: length 2
  Top w0.2: J1.B5 284.88,116.11 v1(284.88,116.11)
  Bottom w0.2: R7.1 284.59,115.82 v1(284.88,116.11)
